# Allegro board TDI_KU5P_QSFP28_CXP_V001-20240805_1841.brd (continued)
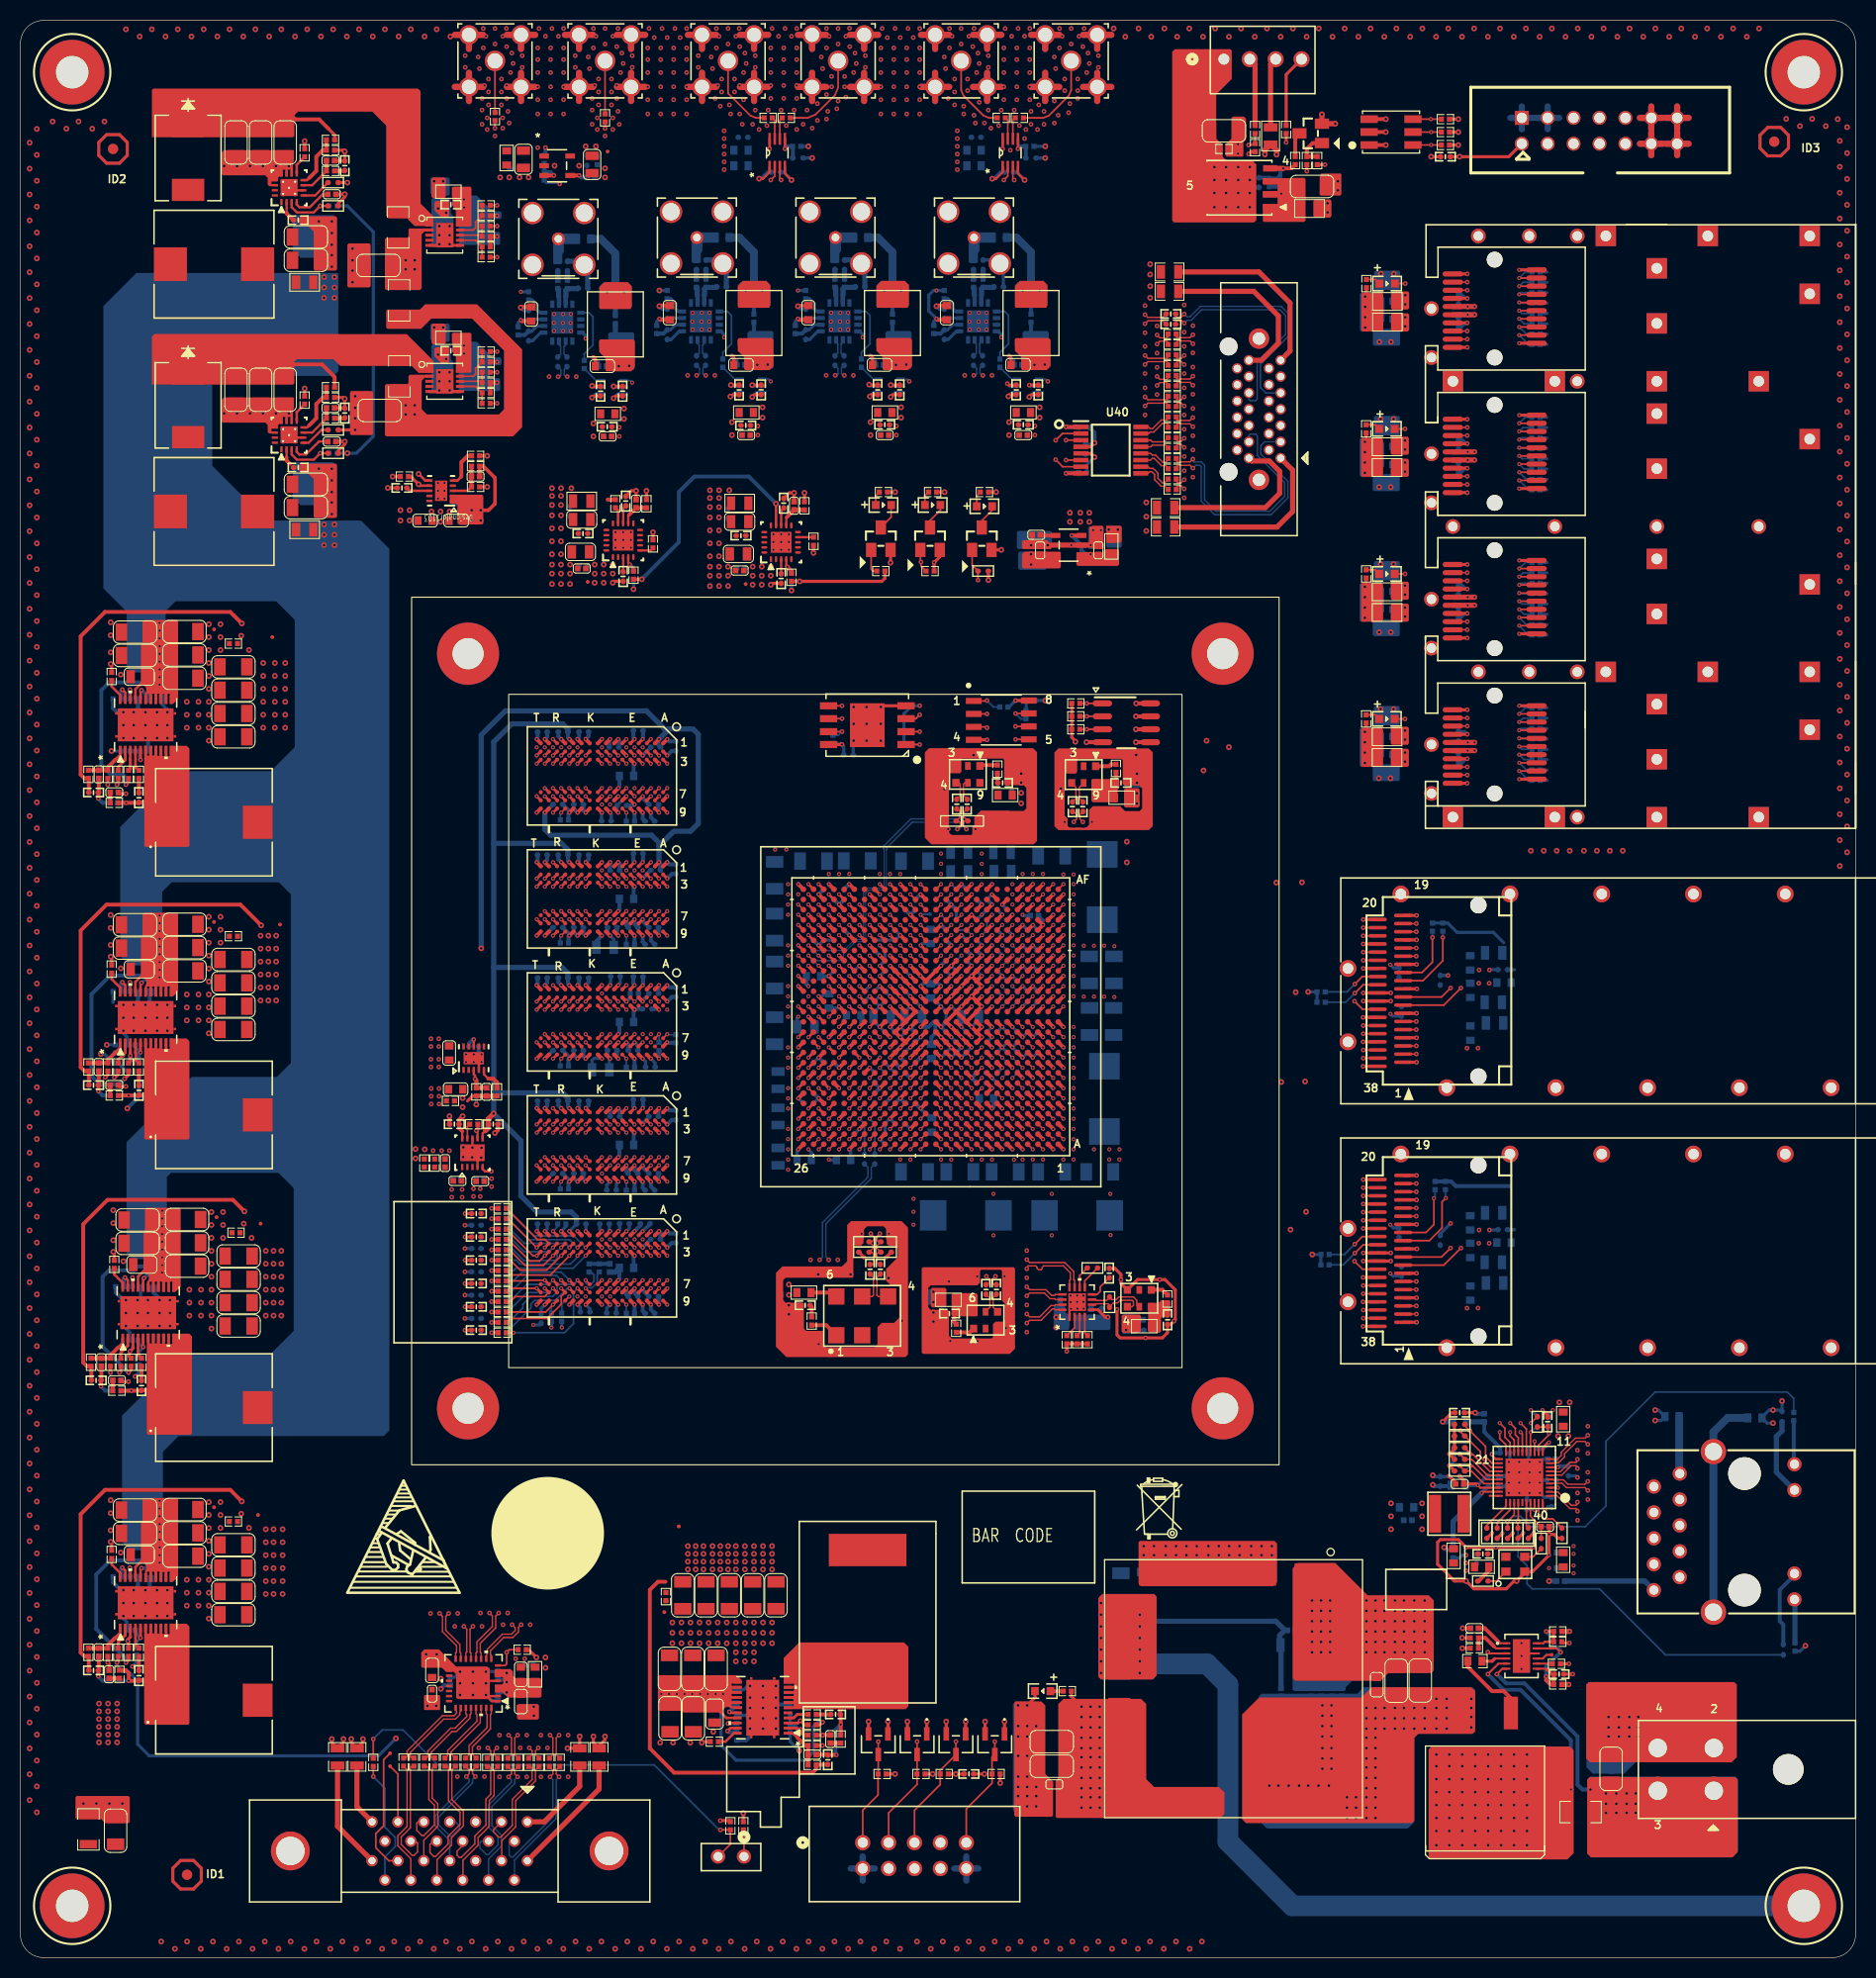
[diagram p0: board, top side]
## Nets (continued)
N23165016: C209.2(CAP1) R86.2 R91.2 U10.1(REFIN)
N23165073: R87.2 U10.9(PGOOD)
N23171960: R56.1 U5.N9(TEN)
N23171980: R57.2 U5.F9(ZQ)
N23176531: R58.1 U6.N9(TEN)
N23176551: R59.2 U6.F9(ZQ)
N23180885: R64.1 U7.N9(TEN)
N23180905: R66.2 U7.F9(ZQ)
N23181582: R96.1 U9.N9(TEN)
N23181602: R98.2 U9.F9(ZQ)
N23186587: R63.1 U8.N9(TEN)
N23186607: R65.2 U8.F9(ZQ)
N23240799: C282.2(CAP1) R152.2
N23240813: C282.1(CAP2) J9.1 L23.1
N23241133: C284.2(CAP1) R153.2
N23241235: C287.2(CAP1) R153.1 U13.3(SDI_N)
N23241584: R149.1 U13.16(TSI)
N23242165: C277.1(CAP2) L19.1 U13.14(PLL1)
N23244330: R155.1 U13.5(TXLF)
N23320159: DS1.2 Q1.3(DRAIN)
N23322808: C2.1(CAP2) C3.1(CAP2) L1.2 U1.N14(VCCADC)
N23917846: R36.1 U1.J16(VREF_67)
N23941687: R60.2 U8.E2(UDM_N/UDBI_N)
N23941693: R61.1 U8.B7(UDQS_T)
N23941705: R62.1 U8.A7(UDQS_C)
N23968505: R44.1 U1.W18(VREF_64)
N23971155: R45.1 U1.V18(VREF_65)
N24009245: R46.2 U1.AF23(IO_T0U_N12_VRP_64)
N24009981: R47.2 U1.W21(IO_T0U_N12_VRP_A28_65)
N24010376: R54.2 U1.M22(IO_T0U_N12_VRP_66)
N24127214: C336.2(CAP1) L39.2 R196.1 R197.2 U21.6(SW) U21.7(SW_1) U21.8(SW_2) U21.9(SW_3) U21.10(SW_4) U21.11(SW_5)
N24127352: R192.2 U21.22(RF)
N24127394: C335.1(CAP2) R190.2 R191.2 U21.1(VFB)
N24127396: R193.2 U21.21(TRIP)
N24127406: R194.1 U21.20(MODE)
N24127447: C336.1(CAP2) R195.2
N24533060: L21.1 L23.2 R147.1
N24534213: C511.1(CAP2) L60.1 R324.1 X1.6(VDD)
N24534304: R324.2 X1.1(OE)
N24547051: C48.1(CAP2) U1.V7(MGTREFCLK0P_225)
N24547053: C49.1(CAP2) U1.V6(MGTREFCLK0N_225)
N24660823: C524.1(CAP2) L63.1 R332.1 U39.6(VDD)
N24660876: R332.2 U39.1(VC/OE/S\T\)
N24672320: C27.2(CAP1) R42.1 R43.2 TP7.1(PIN1) U1.D19(IO_L12P_T1U_N10_GC_67)
N24672321: C28.2(CAP1) R40.1 R41.2 TP8.1(PIN1) U1.D20(IO_L12N_T1U_N11_GC_67)
N25142150: DS1.1 R6.2
N25143762: R39.2 U1.F17(IO_T0U_N12_VRP_67)
N25147054: R53.1 U1.J18(VREF_66)
N25151346: C50.1(CAP2) U1.K7(MGTREFCLK0P_227)
N25151349: C52.1(CAP2) U1.K6(MGTREFCLK0N_227)
N25440425: C283.1(CAP2) U13.11(SDO_P)
N25440426: C285.1(CAP2) U13.10(SDO_N)
N25442672: L20.1 L22.2 R146.1
N25442778: C279.1(CAP2) U14.11(SDO_P)
N25442780: C281.1(CAP2) U14.10(SDO_N)
N25442824: C278.2(CAP1) R150.2
N25442826: C278.1(CAP2) J8.1 L22.1
N25442844: C280.2(CAP1) R151.2
N25442850: C286.2(CAP1) R151.1 U14.3(SDI_N)
N25442864: R148.1 U14.16(TSI)
N25442868: C276.1(CAP2) L18.1 U14.14(PLL1)
N25442963: R154.1 U14.5(TXLF)
N25446827: L26.1 L29.2 R157.1
N25446933: C307.1(CAP2) U17.11(SDO_P)
N25446935: C309.1(CAP2) U17.10(SDO_N)
N25446979: C306.2(CAP1) R162.2
N25446981: C306.1(CAP2) J11.1 L29.1
N25446999: C308.2(CAP1) R163.2
N25447005: C311.2(CAP1) R163.1 U17.3(SDI_N)
N25447019: R159.1 U17.16(TSI)
N25447100: C301.1(CAP2) L25.1 U17.14(PLL1)
N25447139: L27.1 L28.2 R156.1
N25447233: C303.1(CAP2) U18.11(SDO_P)
N25447235: C305.1(CAP2) U18.10(SDO_N)
N25447291: C302.2(CAP1) R160.2
N25447293: C302.1(CAP2) J10.1 L28.1
N25447311: C304.2(CAP1) R161.2
N25447317: C310.2(CAP1) R161.1 U18.3(SDI_N)
N25447333: R158.1 U18.16(TSI)
N25447337: C300.1(CAP2) L24.1 U18.14(PLL1)
N25447429: R164.1 U18.5(TXLF)
N25447534: R165.1 U17.5(TXLF)
N25659786: C437.1(CAP2) R274.2 R277.1 U28.3(FB)
N25659816: C441.1(CAP2) U28.8(NR_SS)
N25659818: R271.2 U28.5(PG)
N25661639: C432.1(CAP2) R272.2 R276.1 U29.3(FB)
N25661667: C440.1(CAP2) U29.8(NR_SS)
N25661669: R270.2 U29.5(PG)
N25767092: R290.2 R292.1 R293.2 U33.12(IN+)
N25767134: C478.1(CAP2) R288.1 R293.1 U33.7(SHDN) U33.11(AOUT)
N25767219: Q5.D R285.1 U33.5(SNS)
N25767247: R287.1 U33.8(FLT)
N25767271: Q5.G R286.1
N25767291: C479.1(CAP2) U33.1(TMR)
N25767309: R289.1 R291.2 U33.2(FB)
N25767313: TP45.1(PIN1) U33.9(EN)
N25767741: DS9.1 R284.2
N26285540: R286.2 U33.4(GATE)
N26625449: R152.1 U13.2(SDI_P)
N26625819: R162.1 U17.2(SDI_P)
N26626341: R160.1 U18.2(SDI_P)
N26626662: R150.1 U14.2(SDI_P)
N26672572: C46.1(CAP2) U1.AB7(MGTREFCLK0P_224)
N26672574: C47.1(CAP2) U1.AB6(MGTREFCLK0N_224)
N26672736: C51.1(CAP2) U1.P7(MGTREFCLK0P_226)
N26672750: C53.1(CAP2) U1.P6(MGTREFCLK0N_226)
N26805761: C542.1 MH1.1 R387.2
N27384140: C335.2(CAP1) C337.1(CAP2) R196.2
N27389672: C386.2(CAP1) L43.1 R233.1 R234.2 U25.6(SW) U25.7(SW_1) U25.8(SW_2) U25.9(SW_3) U25.10(SW_4) U25.11(SW_5)
N27389694: C385.1(CAP2) R227.2 R228.2 U25.1(VFB)
N27389709: C385.2(CAP1) C387.1(CAP2) R233.2
N27389809: C386.1(CAP2) R232.1
N28495611: R55.2 U1.AD9(MGTRREF_R)
N28522099: C514.1(CAP2) L59.1 R325.1 X2.6(VDD)
N28522173: R325.2 X2.1(OE)
N28523316: C521.1 C522.1(CAP2) L62.2 U38.5(VDD)
N28523461: R327.2 U38.2(IN_SEL)
N28523490: R328.2 U38.3(IN1_P)
N28523512: R329.2 U38.4(IN1_N)
N28523564: C523.2(CAP1) U38.8(VAC_REF0)
N28523568: R331.1 U38.10(OUT0_N)
N28523583: R331.2 U38.9(OUT0_P)
N28524865: C517.1(CAP2) L61.1 R326.1 X4.6(VDD)
N28524939: R326.2 X4.1(OE)
N28579172: C508.1(CAP2) L58.1 R323.1 X3.6(VDD)
N28579246: R323.2 X3.1(OE)
N28609575: J21.1(INNER SHIELD1) R365.2
N28609600: J21.14(INNER SHIELD2) R366.2
N28609622: J21.15(X0+) R368.2
N28609642: J21.2(X0-) R369.2
N28609662: J21.16(X1+) R370.2
N28609682: J21.3(X1-) R372.2
N28609702: J21.17(X2+) R374.2
N28609722: J21.4(X2-) R376.2
N28609760: J21.19(X3+) R380.2
N28609780: J21.6(X3-) R382.2
N28609886: R371.2 U43.32(OUT0+)
N28609924: R373.2 U43.31(OUT0-)
N28609951: J21.24(CC3+) TP48.1(PIN1)
N28609975: R375.2 U43.30(OUT1+)
N28609992: J21.11(CC3-) TP49.1(PIN1)
N28609998: R377.2 U43.29(OUT1-)
N28610050: R378.2 U43.28(OUT2+)
N28610067: J21.25(CC4-) R384.2
N28610073: R379.2 U43.27(OUT2-)
N28610094: J21.13(INNER SHIELD3) R385.2
N28610104: R381.2 U43.26(OUT3+)
N28610121: J21.26(INNER SHIELD4) R386.2
N28610127: R383.2 U43.25(OUT3-)
N28610168: C535.1(CAP2) C536.1(CAP2) C537.1(CAP2) C538.2(CAP1) C539.2(CAP1) C540.2(CAP1) C541.2(CAP1) L68.2 U43.3(VDD) U43.4(VDD_2) U43.6(VDD_3) U43.7(VDD_4) U43.19(VDD_5) U43.20(VDD_6) U43.21(VDD_7) U43.22(VDD_8)
N28690415: R25.2 U3.7(H\O\L\D\)
N28706846: J2.1 R23.2
N28711150: C25.1(CAP2) R34.2 R37.1 TP5.1(PIN1) U1.C18(IO_L13P_T2L_N0_GC_QBC_67)
N28711180: C26.1(CAP2) R35.2 R38.1 TP6.1(PIN1) U1.C19(IO_L13N_T2L_N1_GC_QBC_67)
N28714819: C400.1(CAP2) R239.2 R240.1 U26.1(VFB)
N28714907: C400.2(CAP1) C402.1(CAP2) R245.2
N28714926: R241.2 U26.22(RF)
N28714944: R242.2 U26.21(TRIP)
N28714993: R243.1 U26.20(MODE)
N28714995: C401.1(CAP2) R244.1
N28714997: C401.2(CAP1) L44.1 R245.1 R246.2 U26.6(SW) U26.7(SW_1) U26.8(SW_2) U26.9(SW_3) U26.10(SW_4) U26.11(SW_5)
N28715439: C415.1(CAP2) R251.2 R252.1 U27.1(VFB)
N28715527: C415.2(CAP1) C417.1(CAP2) R259.2
N28715546: R254.2 U27.22(RF)
N28715564: R256.2 U27.21(TRIP)
N28715613: R257.1 U27.20(MODE)
N28715615: C416.1(CAP2) R258.1
N28715617: C416.2(CAP1) L45.1 R259.1 R262.2 U27.6(SW) U27.7(SW_1) U27.8(SW_2) U27.9(SW_3) U27.10(SW_4) U27.11(SW_5)
N28716954: R229.2 U25.22(RF)
N28716969: R230.2 U25.21(TRIP)
N28716973: R231.1 U25.20(MODE)
N28719419: C447.1 L48.2 U30.1(VDD) U30.3(CE)
N28719470: C450.2(CAP1) U30.4(BP)
N28727051: C352.1(CAP2) R202.2 R203.1 U22.1(VFB)
N28727139: C352.2(CAP1) C354.1(CAP2) R208.2
N28727158: R204.2 U22.22(RF)
N28727176: R205.2 U22.21(TRIP)
N28727225: R206.1 U22.20(MODE)
N28727227: C353.1(CAP2) R207.1
N28727229: C353.2(CAP1) L40.1 R208.1 R209.2 U22.6(SW) U22.7(SW_1) U22.8(SW_2) U22.9(SW_3) U22.10(SW_4) U22.11(SW_5)
N28729208: C368.1 C369.1(CAP2) L41.2 R215.1 U23.15(IN) U23.16(IN_1) U23.17(IN_2)
N28729301: R214.2 R216.2 U23.4(PG)
N28729382: R215.2 U23.14(EN)
N28729440: C374.1 R217.1 U23.12(BIAS)
N28729496: C375.1(CAP2) U23.13(NR_SS)
N28729520: C373.2(CAP1) U23.3(FB)
N28729566: R219.1 U23.6(100 MV)
N28729642: C377.1 C378.1(CAP2) L42.2 U24.15(IN) U24.16(IN_1) U24.17(IN_2)
N28729667: DS8.1 R220.2
N28729727: R221.2 R222.2 U24.4(PG)
N28729793: DS8.2 Q4.3(DRAIN)
N28729865: C383.1 R223.1 U24.12(BIAS)
N28729887: Q4.1(GATE) R224.1
N28729928: C384.1(CAP2) U24.13(NR_SS)
N28729952: C382.2(CAP1) U24.3(FB)
N28730652: R226.1 U24.9(400 MV)
N28744187: L32.2 U19.30(REG_OUT)
N28744224: R172.1 U19.39(RSET)
N28744267: R171.1 U19.36(XTAL_IN)
N28744413: C317.1(CAP2) L31.2 R168.2 U20.4(VCC)
N28744480: R168.1 U20.1(OE)
N28765392: J12.10 L33.2
N28765481: J12.11 R185.2
N28767196: J12.14 R189.2
N28772898: R167.1 U19.31(INTB/PMEB)
N28774027: C320.2(CAP1) J12.1
N28775955: J12.12 R187.1
N28777171: J12.13 R188.1
N28788474: R173.1 U20.3(OUT)
N28846811: J63.3(P3) L70.1
N28846813: J63.2(P2) R394.2
N28880031: DS4.1 R142.1
N28880083: DS5.1 R143.1
N28880127: DS6.1 R144.1
N28880155: DS7.1 R145.1
N28883659: J14.13(INNER SHIELD3) R353.2
N28883678: J14.26(INNER SHIELD4) R354.2
N28884167: J14.1(INNER SHIELD1) R334.2
N28884170: J14.14(INNER SHIELD2) R337.2
N28886055: DS2.1 R27.2
N28886140: DS2.2 Q2.3(DRAIN)
N28887976: J14.24(X1-) R344.2
N28887977: J14.10(X2+) R347.2
N28887978: C529.1(CAP2) J14.22(XCLK-)
N28887979: J14.8(X3+) R351.2
N28887981: J14.11(X1+) R343.2
N28887982: J14.25(X0-) R341.2
N28887983: C528.1(CAP2) J14.9(XCLK+)
N28887985: J14.12(X0+) R340.2
N28887987: J14.23(X2-) R348.2
N28887988: J14.21(X3-) R352.2
N28889591: J16.1(SIG) R357.2
N28889792: J18.1(SIG) R360.2
N28890454: C530.1(CAP2) L64.2 L65.2 U41.8(VCCB)
N28890568: R356.2 R358.1 U41.5(DIR)
N28890641: J15.1(SIG) R355.2
N28890643: R355.1 U41.7(B1)
N28890688: J17.1(SIG) R359.2
N28890690: R359.1 U41.6(B2)
N28894010: C532.1(CAP2) L66.2 L67.2 U42.8(VCCB)
N28894101: J19.1(SIG) R361.2
N28894103: R361.1 U42.7(B1)
N28894170: R362.2 R363.1 U42.5(DIR)
N28894194: R364.1 U42.6(B2)
N28894228: J20.1(SIG) R364.2
N28914741: C456.1(CAP2) L51.2 R280.1 U31.1(VDD)
N28914763: R280.2 R281.1 U31.3(CE)
N28914792: C459.2(CAP1) U31.4(BP)
N28919597: R333.1 U40.1(EN_1)
N28921298: R339.1 U40.8(EN_2)
N28922981: R345.2 U40.11(DOUT3P)
N28922982: R349.2 U40.10(DOUT4P)
N28922983: R338.2 U40.16(DOUT1M)
N28922984: R342.2 U40.13(DOUT2M)
N28922985: R346.2 U40.12(DOUT3M)
N28922986: R350.2 U40.9(DOUT4M)
N28922987: R335.2 U40.15(DOUT1P)
N28922988: R336.2 U40.14(DOUT2P)
N28959284: C484.1 C485.1 C490.1(CAP2) L52.2 L53.1 U34.2(VIN)
N28959625: R298.1 R301.2 U34.3(EN)
N28960222: D5.2 L53.2 U34.1(SW) U34.15(SW_2) U34.16(SW_3)
N28972786: R303.2 U34.9(FREQ)
N28972820: C491.2(CAP1) U34.4(SS)
N28973278: R305.1 U34.5(SYNC)
N28973878: C492.1(CAP2) R307.2 U34.7(COMP)
N28973888: C493.1(CAP2) R307.1
N28974621: R295.1 R306.2 U34.8(FB)
N28979761: C499.1 C500.1 C504.1(CAP2) L56.2 L57.1 U36.2(VIN)
N28979775: D6.2 L57.2 U36.1(SW) U36.15(SW_2) U36.16(SW_3)
N28979919: R310.1 R321.2 U36.8(FB)
N28979973: R315.1 R318.2 U36.3(EN)
N28980009: R319.2 U36.9(FREQ)
N28980031: C505.2(CAP1) U36.4(SS)
N28980061: R320.1 U36.5(SYNC)
N28980081: C506.1(CAP2) R322.2 U36.7(COMP)
N28980104: C507.1(CAP2) R322.1
N28981922: C481.1 C482.1(CAP2) L54.2 R296.1 R297.1 R299.1 U35.10(VDD)
N28982097: R296.2 R304.1 U35.7(ALERT#)
N28982099: R299.2 R302.1 U35.8(SMDATA)
N28982101: R297.2 R300.1 U35.9(SMCLK)
N28983278: C495.1 C496.1(CAP2) L55.2 R311.1 R312.1 R313.1 U37.10(VDD)
N28983453: R311.2 R317.1 U37.7(ALERT#)
N28983455: R312.2 R316.1 U37.8(SMDATA)
N28983457: R313.2 R314.1 U37.9(SMCLK)
N28986231: C543.1(CAP2) C544.1(CAP2) L69.2 Q6.1 Q6.2 Q6.3 R388.1
N28986325: C544.2(CAP1) C545.2(CAP1) Q6.4(GATE) R388.2 R390.1
N28986386: Q7.3(DRAIN) R390.2
N28986415: Q7.1(GATE) R392.1 R393.2
N29053114: J63.4(P4) R778.2
N29065928: C54.1(CAP2) U1.M7(MGTREFCLK1P_226)
N29065949: C55.1(CAP2) U1.M6(MGTREFCLK1N_226)
N29078581: TP1.1(PIN1) U1.AC13(IO_L5P_HDGC_AD7P_84)
N29078588: TP2.1(PIN1) U1.AC14(IO_L5N_HDGC_AD7N_84)
N241274570: R195.1 U21.4(VBST)
N251395121: R1.2 U1.Y11(CCLK_0)
N254427481: C276.2(CAP1) U14.13(PLL2)
N254472061: C300.2(CAP1) U18.13(PLL2)
N273868450: C345.2(CAP1) R197.1
N273966991: C394.2(CAP1) R234.1
N287148553: R244.2 U26.4(VBST)
N287151270: C409.2(CAP1) R246.1
N287154753: R258.2 U27.4(VBST)
N287157470: C424.2(CAP1) R262.1
N287169133: R232.2 U25.4(VBST)
N287270873: R207.2 U22.4(VBST)
N287273590: C361.2(CAP1) R209.1
N2323820015: C277.2(CAP1) U13.13(PLL2)
N2544678615: C301.2(CAP1) U17.13(PLL2)

Pads without a net: J1 6 7 8; J8 3; J9 3; J10 3; J11 3; J13 M1; J14 6 7 19 20; J21 12; MH3 1; MH4 1; NOREF#5 1; NOREF#7 1; NOREF#15 1; NOREF#17 1; NOREF#18 1; NOREF#19 1; U1 AC4 AC5 AC16 AD6 AD7 AE8 AE9 AE18 AE20 AE26 AF6 AF7 AF20 AF22 E22 E26 F22 G22 G25 H6 H7 K18 L23 M24 N26 R23 R25 R26 T6 T7 T19 T24 T25 U24 U25 Y6 Y7 Y21; U5 T7; U6 T7; U7 T7; U8 A3 B8 C2 C3 C7 C8 D3 D7 T7; U9 T7; U13 1 4 6 7 9 12; U14 1 4 6 7 9 12; U17 1 4 6 7 9 12; U18 1 4 6 7 9 12; U19 35; U21 5; U23 5 7 9 10 11; U24 5 6 7 10 11; U35 3 4; U37 3 4; U39 2; U43 23 24; U134 1 2 3 4; X1 2; X2 2; X3 2; X4 2

## Via types
v1: diameter 0.406, hole 0.203, TOP to BOTTOM, 1423 vias
v2: diameter 0.457, hole 0.203, TOP to BOTTOM, 975 vias
v3: diameter 0.559, hole 0.254, TOP to BOTTOM, 1555 vias

## Routing (per net, layer and track width the routed paths; a pad name or vN(x,y) marks a point on that pad's centre or on a via; arc(x,y) is an arc through that point)
1V2_ROVP: length 3
  TOP w0.279: U25.5 v1(11.78,88.77)
  BOTTOM w0.305: R236.2 11.26,89.29 v1(11.78,88.77)
  BOTTOM w0.381: R238.2 11.62,88.61 v1(11.78,88.77)
1V5_ROVP: length 2.8
  TOP w0.279: U22.5 v2(11.78,117.47)
  BOTTOM w0.381: R213.1 R211.2 11.73,117.53 v2(11.78,117.47)
1V8_ROVP: length 3
  TOP w0.279: U26.5 v2(11.78,31.37)
  BOTTOM w0.305: R248.2 11.26,31.89 v2(11.78,31.37) 11.39,30.98 R250.1
3V3_ROVP: length 2.9
  TOP w0.279: U27.5 v2(12.04,59.89)
  BOTTOM w0.305: R269.1 11.65,59.43 12.04,59.82 v2(12.04,59.89) 11.96,59.89 11.52,60.34 R267.2
AVDD10: length 5
  TOP w0.203: U19.38 v1(148.51,43.92) ; v1(150.8,46.09) U19.3 ; v1(150.8,48.09) U19.8
  BOTTOM w0.305: C329.1 150.65,46.24 v1(150.8,46.09) ; C330.1 148.48,43.95 v1(148.51,43.92)
  BOTTOM w0.381: C328.1 150.9,48.2 v1(150.8,48.09)
  vias: v3(150.82,51.16) v3(151.83,51.16)
AVDD33: length 4.2
  TOP w0.203: U19.40 149.31,44.12 149.52,43.92 v1(149.55,43.92) ; v1(149.93,50.52) 149.8,50.52 149.31,50.04 U19.11
  BOTTOM w0.305: v1(149.55,43.92) 149.84,44.21 C325.1
  BOTTOM w0.381: C326.1 149.29,49.89 v1(149.93,50.52)
  vias: v1(152.34,40.36) v1(152.34,39.6)
DVDD10: length 7.2
  TOP w0.203: U19.21 144.7,48.89 144.34,49.25 v2(144.34,49.38)
  BOTTOM w0.381: v2(144.34,49.38) 144.47,49.5 C334.1 145.14,50 143.58,51.56 C333.1
  BOTTOM w0.508: L38.2 143.56,52.55 C333.1
DVDD33: length 10.4
  TOP w0.203: v1(143.32,45.57) 143.45,45.69 U19.29
  BOTTOM w0.381: C332.1 143.96,46.2 v1(143.32,45.57) ; C331.1 139.87,40 v3(139.64,40.23)
  BOTTOM w0.508: v1(143.32,45.57) 140.53,42.77 C331.1
DVDDRGMII: length 8.3
  TOP w0.203: U19.28 145.05,46.08 143.57,46.08 143.19,46.08 v1(142.94,46.33)
  TOP w0.305: v1(142.94,46.33) 142.81,46.46 C313.1 141.56,46.82 v2(141.16,47.22)
  BOTTOM w0.381: v2(141.16,47.22) 141.74,46.64 L30.2 v1(142.94,46.33) 143.83,47.22 C314.1
GND: length 2511.7
  TOP w0.229: 45.77,25.65 v3(45.66,25.76) ; 45.77,25.65 U43.2 ; 45.77,25.65 46.27,25.15 U43.1 ; U41.4 97.84,174.99 v3(98.49,174.35) ; U36.6 26.63,149.08 U36.17 ; U38.1 102.9,63.49 v1(103.04,63.63) ; v3(75.63,174.35) 74.98,174.99 U42.4 ; v3(45.66,26.9) 45.91,27.15 U43.5 ; U34.17 26.63,173.33 U34.6 ; U28.4 44.97,87.57 v1(45.23,87.83) ; U10.8 v3(44.34,79.45) ; v3(45.2,78.46) 44.84,78.1 U10.4
  TOP w0.279: v3(41.09,168.05) 40.98,167.93 U35.5 ; U35.6 42.21,167.93 v3(42.1,168.05)
  TOP w0.305: C288.1 97.15,156.91 v1(96.96,157.1) ; U8.B2 v1(62.64,93.77) ; U9.D8 v1(61.04,65.64) ; C491.1 v3(31.82,172.95) 31.82,172.69 31.18,172.06 R301.1 ; U6.E1 v1(60.24,119.5) ; J6.26 131.71,97.02 v2(131.71,97.02) ; U5.B2 v1(62.64,105.84) ; v3(8.85,98.17) 8.96,98.07 R229.1 ; U7.B2 v1(62.64,81.71) ; J6.20 131.72,101.82 v2(131.71,101.82) ; P1.D14 v2(141.91,162.73) ; C296.2 v2(98.95,154.23) ; U37.5 40.98,153.6 v3(41.09,153.71) ; P1.A20 v2(141.91,115.18) ; C206.2 v2(43.61,61.54) ; R239.1 v2(8.58,28.93) 8.7,28.8 C409.1 ; v1(147.01,115.58) 147.01,115.58 P1.A1 ; U7.E8 v1(60.24,77.7) ; v2(131.71,76.31) 131.72,76.32 J4.20 ; J4.35 v2(131.7,64.31) ; J4.4 136.93,64.72 v2(136.93,64.72) ; R303.1 v3(27.88,178.16) ; R172.2 150.82,41.12 150.43,41.5 v1(149.93,41.5) ; U9.A2 v1(63.44,69.64) ; R254.1 9.21,69.12 v3(9.11,69.22) ; R276.2 v3(45.79,144.25) ; C440.2 v3(36.03,144.14) ; R186.2 v1(146.37,41.63) ; U40.5 104.99,147.53 v3(105.35,147.17) ; J4.7 136.93,67.12 v2(136.93,67.12) ; C273.1 56.18,154.11 56.13,154.15 v3(56.07,154.15) ; Q4.2 v3(85.34,136.81) ; v2(136.93,97.42) 136.93,97.42 J6.13 ; v2(102.63,59.46) R327.1 R328.1 R329.1 ; C424.1 9.99,56.49 v2(10.61,56.49) ; v1(56.19,156.97) 56.38,156.79 C264.1 ; U5.F1 v1(59.44,107.44) ; C271.2 v3(71.77,154.23) ; v1(69.78,157.1) 69.97,156.91 C265.1 ; C214.2 v2(43.61,72.97) ; C383.2 v3(75.89,143.66) 75.42,143.66 C384.2 ; U7.A2 v1(63.44,81.71) ; U8.E1 v1(60.24,95.37) ; U9.F1 v1(59.44,71.24) ; P1.C14 v2(141.91,148.48) ; v2(8.32,86.33) 8.58,86.59 R227.1 ; v2(141.91,143.68) 141.9,143.68 P1.C20 ; U1.M16 86.8,90.78 v1(87.29,91.27) ; v1(83.37,157.1) 83.56,156.91 C289.1 ; C298.1 83.36,154.23 83.31,154.28 v3(83.25,154.28) ; U8.D8 v1(61.04,89.77) ; C361.1 9.74,114.15 v2(10.35,114.15) ; J4.23 131.72,73.92 v2(131.71,73.91) ; v2(141.91,146.08) 141.9,146.08 P1.C17 ; U7.E1 v1(60.24,83.31) ; R51.1 90.77,110.92 v2(91.01,110.68) ; P1.D10 v1(147.01,165.53) ; R180.2 140.66,47.75 v2(140.16,48.25) ; v3(8.85,126.88) 8.96,126.77 R204.1 ; P1.C11 v2(141.91,150.88) ; v3(30.55,21.44) 30.55,21.09 R386.1 31.69,21.12 v3(31.69,21.44) ; C374.2 v3(60.39,143.87) 59.92,143.87 C375.2 ; P1.A11 v2(141.91,122.38) ; v3(76.26,161.97) 76.33,162.03 C293.1 ; U1.V16 86.8,96.78 v1(86.3,97.28) ; P1.C10 v1(147.01,151.28) ; P1.B11 v2(141.91,136.63) ; J4.38 v2(131.69,61.91) ; v1(93.3,102.28) 93.8,101.78 U1.AC9 ; U5.D8 v1(61.04,101.83) ; P1.A17 v2(141.91,117.58) ; R226.2 v3(77.79,137.77) ; R393.1 v2(126.18,175.21) ; J4.13 136.93,71.92 v2(136.93,71.91) ; C210.2 v2(43.61,66.12) ; Q2.2 90.17,137.38 v2(89.62,136.83) R32.1 ; C319.2 149.95,41.52 v1(149.93,41.5) ; R278.1 v3(36.52,145.26) ; v2(136.93,62.32) J4.1 ; v3(54.85,21.69) R365.1 v3(53.66,20.54) ; v2(136.93,102.22) 136.93,102.22 J6.19 ; P1.A14 v2(141.91,119.98) ; C8.2 v3(94.55,18.01) ; R190.1 v2(78.68,20.8) ; v3(98.75,24.74) 99.51,25.5 DS9.2 ; R320.2 v3(32.83,149.83) ; P1.D17 v2(141.91,160.33) ; C313.2 140.76,46.6 v2(140.15,47.22) ; C450.1 99.23,138.64 v3(99.13,138.53) ; v2(136.93,90.22) J6.4 ; v2(93.67,110.68) 93.94,110.96 R52.1 ; R37.2 85.18,70.43 v2(85.18,71) ; v3(42.1,153.71) 42.21,153.6 U37.6 ; C315.2 149.8,53.19 v1(149.29,53.7) ; R171.2 v1(148.4,41.63) 148.53,41.5 148.53,40.36 v1(148.4,40.23) v1(144.72,40.23) v2(141.8,40.23) 141.04,41 139.26,41 139,40.74 139,38.58 140.66,36.93 v3(141.8,36.93) 142.56,36.17 145.74,36.17 146.5,36.93 v3(146.75,36.93) 147.55,37.73 U20.2 148.31,37.86 v1(149.93,39.47) v1(149.93,41.5) ; P1.B10 v1(147.01,137.03) ; U1.AF9 93.8,104.78 v1(94.29,105.27) ; P1.B14 v2(141.91,134.23) ; U6.E8 v1(60.24,113.1) ; 96.52,21.95 v3(96.52,23.15) ; v3(84.39,122.66) 84.52,122.78 U2.4 ; v2(82.52,71) 82.52,70.49 R38.2 ; v2(131.71,99.42) 131.72,99.42 J6.23 ; C19.2 v3(138.37,176.63) ; C297.2 v3(85.36,154.23) ; R201.1 v2(78.68,21.82) ; v3(32.45,21.44) 32.45,21.09 R385.1 33.59,21.12 v3(33.59,21.44) ; v2(136.93,87.82) J6.1 ; C208.2 v2(43.61,63.83) ; v3(57.34,21.69) 57.34,21.37 56.76,20.79 R366.1 56.2,21.09 v3(56.2,21.69) ; U1.AC8 v1(95.3,102.28) ; v2(136.93,99.82) J6.16 ; U6.E9 v1(60.24,112.3) ; R321.1 31.69,153.01 v3(31.82,152.88) C507.2 31.78,151.99 C506.2 ; v3(66.84,21.08) 66.94,21.18 R192.1 ; U8.F1 v1(59.44,95.37) ; P1.D1 v1(147.01,158.33) ; U5.A2 v1(63.44,105.84) ; U1.V3 v1(100.3,97.28) ; U7.D8 v1(61.04,77.7) ; v1(95.29,96.28) 94.8,95.79 U1.U8 ; J6.38 v2(131.69,87.42) ; P1.B1 v1(147.01,129.83) ; v2(107.56,63.58) 107.56,61.09 107.86,60.78 v2(110.35,60.78) 112,60.78 112.51,61.29 C517.2 112.81,62.09 v2(113.15,62.43) 113.27,62.56 113.27,65.48 112.26,66.5 v2(111.75,66.5) 109.57,66.5 X4.3 107.94,66.12 v2(107.94,66.5) 107.94,67.01 107.34,67.6 C523.1 ; R306.1 31.69,177.27 v3(31.82,177.14) C493.2 31.78,176.25 C492.2 ; R219.2 v3(62.04,139.8) ; P1.A10 v1(147.01,122.78) ; v2(68.65,13.44) 69.53,13.44 R26.2 ; U8.E8 v1(60.24,89.77) ; R251.1 v2(8.83,57.38) ; U5.E1 v1(60.24,107.44) ; J6.7 136.93,92.62 v2(136.93,92.62) ; C505.1 v3(31.82,148.69) 31.82,148.44 31.18,147.8 R318.1 ; U6.B2 v1(62.64,117.9) ; 85.09,21.95 v3(85.09,23.15) ; P1.D11 v2(141.91,165.13) ; R202.1 v2(8.58,115.04) ; C275.1 v3(69.69,154.23) ; U3.4 v2(94.81,119.44) ; v2(10.35,85.45) 9.74,85.45 C394.1 ; P1.C1 v1(147.01,144.08) ; U5.E8 v1(60.24,101.83) ; U1.W11 v1(91.3,97.28) ; J4.32 v2(131.7,66.71) ; U6.A2 v1(63.44,117.9) ; J6.35 v2(131.7,89.82) ; C272.2 v3(58.19,154.1) ; J6.32 v2(131.7,92.22) ; U6.F1 v1(59.44,119.5) ; U1.T8 94.8,94.79 v1(95.29,95.28) ; C294.1 96.95,154.23 v2(96.81,154.37) ; C322.2 v3(142.69,53.44) ; 88.9,21.95 v3(88.9,23.15) ; R305.2 v3(32.07,174.09) ; P1.B17 v2(141.91,131.83) ; C211.2 v2(43.61,68.4) ; Q1.2 v3(96.21,138.07) ; 92.71,21.95 v3(92.71,23.15) ; U6.D8 v1(61.04,113.9) ; U8.A2 v1(63.44,93.77) ; v3(8.85,40.77) 8.96,40.67 R241.1 ; J4.26 131.71,71.52 v2(131.71,71.51) ; C212.2 v2(43.61,70.69) ; U7.F1 v1(59.44,83.31) ; v2(136.93,76.71) 136.93,76.71 J4.19 ; R319.1 v3(27.88,153.9) ; v2(136.93,74.31) J4.16 ; P1.B20 v2(141.91,129.43) ; P1.D20 v2(141.91,157.93)
  TOP w0.381: U1.V20 v1(82.29,97.28) ; U1.D8 v1(95.3,82.28) ; U1.W17 v1(85.29,98.28) ; v2(78.68,21.82) 78.7,21.84 C345.1 ; U8.N1 v1(53.04,95.37) ; U1.AD5 v1(98.3,103.28) ; U1.V12 v1(91.3,97.28) ; U1.J1 v1(102.3,87.27) ; U1.AC2 v1(101.3,102.28) ; U5.K9 v1(55.44,100.23) ; U1.B3 v1(100.3,80.27) ; U1.V10 v1(93.3,97.28) ; U1.L8 v1(95.3,89.28) ; U1.L2 v1(101.3,89.28) ; U1.V8 v1(95.3,97.28) ; U6.T1 v1(50.64,119.5) ; U1.P16 v1(86.29,93.28) ; U1.W2 v1(101.3,98.28) ; U1.L15 v1(87.29,89.28) ; U7.G8 v1(58.64,77.7) ; U8.K1 v1(55.44,95.37) ; U8.H9 v1(57.84,88.17) ; U1.N8 v1(95.3,91.27) ; U1.U11 91.8,95.79 v1(92.29,96.28) ; U8.A8 v1(63.44,89.77) ; U5.E9 v1(60.24,100.23) ; U7.D2 v1(61.04,81.71) ; U1.R17 v1(85.29,94.28) ; U1.AF5 v1(98.3,105.28) ; U7.E3 v1(60.24,80.91) ; U5.T1 v1(50.64,107.44) ; U1.AC1 v1(102.3,102.28) ; U1.L1 v1(102.3,89.28) ; U1.T14 v1(88.29,95.28) ; U1.D22 v1(80.29,82.28) ; U1.B5 v1(98.3,80.27) ; U1.N3 v1(100.3,91.27) ; U1.D12 v1(91.3,82.28) ; U1.W1 v1(102.3,98.28) ; U6.C9 v1(61.84,112.3) ; U1.C10 v1(93.3,81.27) ; U6.E3 v1(60.24,117.1) ; U1.AA2 v1(101.3,100.28) ; U1.G23 v1(80.3,85.28) ; U1.R11 v1(92.3,94.28) ; U1.Y19 v1(83.29,99.28) ; U6.H9 v1(57.84,112.3) ; U7.N1 v1(53.04,83.31) ; U1.AC6 v1(97.3,102.28) ; U1.AD4 v1(99.3,103.28) ; U8.E3 v1(60.24,92.97) ; U1.AC10 v1(93.3,102.28) ; U1.AE14 v1(88.29,104.28) ; U1.AB13 v1(90.3,101.28) ; U9.E1 v1(60.24,71.24) ; U1.R1 v1(102.3,94.28) ; U1.L11 v1(92.3,89.28) ; U1.J8 v1(95.3,87.27) ; U1.H20 v1(83.3,87.28) ; U1.E19 v1(83.29,83.28) ; U1.E2 v1(101.3,83.28) ; U1.F26 v1(76.29,84.27) ; U1.H8 v1(95.3,86.28) ; U1.N25 v1(77.29,92.28) ; U1.AF26 v1(76.29,105.28) ; U1.M3 v1(100.3,90.27) ; U1.N6 v1(97.3,91.27) ; U1.W22 v1(80.29,98.28) ; U7.H1 v1(57.84,83.31) ; U1.L21 v1(81.29,89.28) ; U1.Y4 v1(99.3,99.28) ; U5.D2 v1(61.04,105.84) ; U1.W3 v1(100.3,98.28) ; U1.P8 v1(95.3,93.28) ; U1.AF16 v1(86.29,105.28) ; U1.AB8 v1(95.3,101.28) ; C269.1 62.74,162.03 v3(62.67,161.97) ; U1.R13 v1(90.3,94.28) ; U9.K9 v1(55.44,64.04) ; U1.AE24 v1(78.29,104.28) ; U7.K9 v1(55.44,76.1) ; U4.5 v3(109.41,119.2) ; U1.C2 v1(101.3,81.27) ; U1.N11 v1(92.3,91.27) ; U5.C9 v1(61.84,100.23) ; U1.V14 v1(88.29,97.28) ; U5.H1 v1(57.84,107.44) ; U1.AF21 v1(81.29,105.28) ; U1.F3 v1(100.3,84.27) ; U1.AA1 v1(102.3,100.28) ; U1.A11 v1(92.3,79.28) ; U8.D2 v1(61.04,93.77) ; U9.D2 v1(61.04,69.64) ; U1.G6 v1(97.3,85.28) ; U1.K24 v1(78.29,88.28) ; U1.A8 v1(95.3,79.28) ; U1.U15 v1(87.29,96.28) ; U5.M9 v1(53.84,100.23) ; U7.M9 v1(53.84,76.1) ; U1.Y3 v1(100.3,99.28) ; U1.F11 v1(92.3,84.27) ; U1.R3 v1(100.3,94.28) ; U1.D5 v1(98.3,82.28) ; U1.E8 94.8,83.77 v1(95.29,83.28) ; U1.J6 v1(97.3,87.27) ; U1.AB4 v1(99.3,101.28) ; U9.B2 v1(62.64,69.64) ; C221.2 46.84,81.17 v3(46.55,80.87) ; U1.AC20 v1(82.29,102.28) ; U1.L26 v1(76.29,89.28) ; U7.T1 v1(50.64,83.31) ; U1.T10 v1(93.3,95.28) ; U1.R8 v1(95.3,94.28) ; U8.M9 v1(53.84,88.17) ; J22.2 v3(133.92,179.05) ; U1.T26 v1(76.29,95.28) ; U1.T21 v1(81.29,95.28) ; U1.W8 v1(95.3,98.28) ; U1.H3 v1(100.3,86.28) ; U1.A1 v1(102.3,79.28) ; U1.U3 v1(100.3,96.28) ; U1.C15 v1(87.29,81.27) ; U1.AA8 v1(95.3,100.28) ; U1.AF3 v1(100.3,105.28) ; U1.R2 v1(101.3,94.28) ; U1.AA26 v1(76.29,100.28) ; U1.R19 v1(83.29,94.28) ; U1.C6 v1(97.3,81.27) ; U1.AE5 v1(98.3,104.28) ; U6.G8 v1(58.64,113.9) ; U1.G3 v1(100.3,85.28) ; U7.C9 v1(61.84,76.1) ; U1.G13 v1(90.3,85.28) ; U7.E9 v1(60.24,76.1) ; U1.AB23 v1(79.29,101.28) ; U1.U1 v1(102.3,96.28) ; U1.C5 v1(98.3,81.27) ; U1.T4 v1(99.3,95.28) ; U1.AD17 v1(85.29,103.28) ; U9.E8 v1(60.24,65.64) ; U1.R15 v1(87.29,94.28) ; U1.AE6 v1(96.29,103.28) ; U1.N20 v1(82.29,91.27) ; U9.A8 v1(63.44,65.64) ; U1.AF8 v1(95.3,105.28) ; U5.K1 v1(55.44,107.44) ; U9.T1 v1(50.64,71.24) ; U9.M9 v1(53.84,64.04) ; U1.Y8 v1(95.3,99.28) ; U1.U17 v1(85.29,96.28) ; U1.P3 v1(100.3,93.28) ; v1(99.3,105.28) 98.8,104.78 U1.AF4 ; U1.M12 v1(91.3,90.27) ; U1.J3 v1(100.3,87.27) ; U1.L3 v1(100.3,89.28) ; U1.M10 v1(93.3,90.27) ; U1.G8 v1(95.3,85.28) 94.8,84.78 U1.F8 ; U1.N1 v1(102.3,91.27) ; U1.AB3 v1(100.3,101.28) 99.8,101.78 U1.AC3 ; U1.T16 v1(86.29,95.28) ; U8.G8 v1(58.64,89.77) ; U1.K3 v1(100.3,88.28) ; U1.J17 v1(85.29,87.27) ; U6.K9 v1(55.44,112.3) ; U1.A21 v1(81.29,79.28) ; U1.AA16 v1(86.29,100.28) ; U1.D3 v1(100.3,82.28) ; U1.P10 v1(93.3,93.28) ; U1.AE2 v1(101.3,104.28) ; U1.U2 v1(101.3,96.28) ; U1.R6 v1(97.3,94.28) ; U1.U6 v1(97.3,96.28) ; U5.H9 v1(57.84,100.23) ; U1.L6 v1(97.3,89.28) ; U6.K1 v1(55.44,119.5) ; U1.AE1 v1(102.3,104.28) ; U1.M23 v1(79.29,90.27) ; U1.K19 v1(83.29,89.28) ; v3(89.85,161.97) 89.92,162.03 C291.1 ; U1.M4 v1(99.3,90.27) ; U5.N1 v1(53.04,107.44) ; U1.A5 v1(98.3,79.28) ; U5.E3 v1(60.24,105.04) ; U1.AD10 v1(93.3,103.28) ; U9.K1 v1(55.44,71.24) ; U5.G8 v1(58.64,101.83) ; U1.AA3 v1(100.3,100.28) ; U1.F21 v1(81.29,84.27) ; U1.E6 v1(97.3,83.28) ; U8.T1 v1(50.64,95.37) ; U9.E3 v1(60.24,68.84) ; U1.E3 v1(100.3,83.28) ; U1.F4 v1(99.3,84.27) ; U1.N17 v1(85.29,91.27) ; C207.1 v3(42.09,82.52) ; U1.B13 v1(90.3,80.27) ; U1.C8 v1(95.3,81.27) ; U1.N2 v1(101.3,91.27) ; v3(49.08,161.84) 49.15,161.9 C267.1 ; J22.3 v3(133.92,180.32) ; U6.N1 v1(53.04,119.5) ; U6.A8 v1(63.44,113.9) ; U1.B23 v1(79.29,80.27) ; U1.W6 v1(97.3,98.28) ; U1.AE19 v1(83.29,104.28) ; U1.AA6 v1(97.3,100.28) ; U1.P4 v1(99.3,93.28) ; U6.D2 v1(61.04,117.9) ; U7.A8 v1(63.44,77.7) ; U1.F16 v1(86.29,84.27) ; U9.E9 v1(60.24,64.04) ; U1.L17 v1(85.29,89.28) ; U1.C25 v1(77.29,81.27) ; U7.K1 v1(55.44,83.31) ; U1.AF10 v1(93.3,105.28) ; U1.M14 v1(88.29,90.27) ; U1.D4 v1(99.3,82.28) ; U4.4 v3(104.56,119.2) ; U1.V4 v1(99.3,97.28) ; U1.M8 v1(95.3,90.27) ; U1.K4 v1(99.3,88.28) ; U1.K16 v1(86.29,88.28) ; U1.AE10 v1(93.3,104.28) ; U1.AF11 v1(92.3,105.28) ; U4.6 v3(109.41,120.47) ; U9.G8 v1(58.64,65.64) ; U1.T3 v1(100.3,95.28) ; U1.G2 v1(101.3,85.28) ; U1.P14 v1(88.29,93.28) ; U1.A16 v1(86.29,79.28) ; U1.V25 v1(77.29,97.28) ; U1.E1 v1(102.3,83.28) ; U9.C9 v1(61.84,64.04) ; U8.H1 v1(57.84,95.37) ; U1.J2 v1(101.3,87.27) ; U1.U18 v1(84.29,96.28) ; U1.H4 v1(99.3,86.28) ; U8.E9 v1(60.24,88.17) ; U1.P12 v1(91.3,93.28) ; U8.K9 v1(55.44,88.17) ; J22.1 v3(133.92,177.78) ; U1.C1 v1(102.3,81.27) ; U1.T13 v1(90.3,95.28) ; U1.B4 v1(99.3,80.27) ; U1.AD3 v1(100.3,103.28) ; U1.A2 v1(101.3,79.28) ; U1.A26 v1(76.29,79.28) ; U1.U13 v1(90.3,96.28) ; U4.7 v3(109.41,121.74) ; U1.B18 v1(84.29,80.27) ; U9.N1 v1(53.04,71.24) ; U1.G1 v1(102.3,85.28) ; U1.K12 v1(91.3,88.28) ; U1.N15 v1(87.29,91.27) ; U1.AC25 v1(77.29,102.28) ; U6.H1 v1(57.84,119.5) ; U1.L13 v1(90.3,89.28) ; U1.R24 v1(78.29,94.28) ; U5.A8 v1(63.44,101.83) ; U6.M9 v1(53.84,112.3) ; U9.H9 v1(57.84,64.04) ; U1.B8 v1(95.3,80.27) ; U1.A6 v1(97.3,79.28) ; U8.C9 v1(61.84,88.17) ; U1.K8 v1(95.3,88.28) ; U9.H1 v1(57.84,71.24) ; U7.H9 v1(57.84,76.1) ; U1.K14 v1(88.29,88.28) ; U1.T12 v1(91.3,95.28)
  TOP w0.508: v3(122.06,176.86) 122.06,177.29 122.58,177.81 L70.2 122.66,177.81 123.21,177.27 v3(123.21,176.83) ; v3(127.66,180.79) Q7.2 v3(128.96,179.87)
  TOP w0.61: J3.14 162.5,181.56 ; J3.14 162.5,179.32 ; J3.14 163.62,180.44 ; J3.14 161.38,180.44 ; 162.5,176.78 J3.13 ; J3.13 161.38,177.9 ; J3.13 163.62,177.9 ; J3.13 162.5,179.02 ; 99.13,183.48 J17.5 ; J17.5 101.9,183.48 ; J17.5 100.51,182.09 ; J17.5 100.51,184.86 ; 89.72,187.2 J15.4 ; J15.4 91.1,188.58 ; J15.4 88.33,188.58 ; 76.27,188.58 J20.4 ; J20.4 77.65,187.2 ; J20.4 79.04,188.58 ; J19.2 71.96,184.86 ; J19.2 71.96,182.09 ; J19.2 73.35,183.48 ; J19.2 70.58,183.48 ; 94.82,187.2 J15.3 ; J15.3 96.21,188.58 ; J15.3 93.44,188.58 ; J15.2 96.21,183.48 ; J15.2 93.44,183.48 ; J15.2 94.82,184.86 ; J15.2 94.82,182.09 ; 54.79,182.09 J16.5 ; J16.5 53.41,183.48 ; J16.5 56.18,183.48 ; J16.5 54.79,184.86 ; 158.84,177.9 J3.11 ; J3.11 159.96,179.02 ; J3.11 159.96,176.78 ; J3.11 161.08,177.9 ; J3.12 159.96,181.56 ; J3.12 158.84,180.44 ; J3.12 161.08,180.44 ; J3.12 159.96,179.32 ; 42.61,183.48 J18.5 ; J18.5 44,184.86 ; J18.5 44,182.09 ; J18.5 45.38,183.48 ; 49.1,182.09 J18.2 ; J18.2 49.1,184.86 ; J18.2 50.49,183.48 ; J18.2 47.72,183.48 ; J17.2 105.62,184.86 ; J17.2 107,183.48 ; J17.2 104.23,183.48 ; J17.2 105.62,182.09 ; J15.5 89.72,184.86 ; J15.5 91.1,183.48 ; J15.5 88.33,183.48 ; J15.5 89.72,182.09 ; J18.4 45.38,188.58 ; J18.4 42.61,188.58 ; J18.4 44,187.2 ; J16.2 59.9,184.86 ; J16.2 61.28,183.48 ; J16.2 59.9,182.09 ; J16.2 58.51,183.48 ; 104.23,188.58 J17.3 ; J17.3 107,188.58 ; J17.3 105.62,187.2 ; 58.51,188.58 J16.3 ; J16.3 61.28,188.58 ; J16.3 59.9,187.2 ; 76.27,183.48 J20.5 ; J20.5 77.65,184.86 ; J20.5 79.04,183.48 ; J20.5 77.65,182.09 ; J19.3 73.35,188.58 ; J19.3 71.96,187.2 ; J19.3 70.58,188.58 ; 82.76,187.2 J20.3 ; J20.3 81.37,188.58 ; J20.3 84.14,188.58 ; 65.47,188.58 J19.4 ; J19.4 68.24,188.58 ; J19.4 66.86,187.2 ; 82.76,182.09 J20.2 ; J20.2 81.37,183.48 ; J20.2 82.76,184.86 ; J20.2 84.14,183.48 ; 65.47,183.48 J19.5 ; J19.5 66.86,182.09 ; J19.5 68.24,183.48 ; J19.5 66.86,184.86 ; 99.13,188.58 J17.4 ; J17.4 100.51,187.2 ; J17.4 101.9,188.58 ; 53.41,188.58 J16.4 ; J16.4 56.18,188.58 ; J16.4 54.79,187.2 ; 49.1,187.2 J18.3 ; J18.3 47.72,188.58 ; J18.3 50.49,188.58